# Altium PCB hep-0002.PcbDoc (part 1 of 3) (continued)
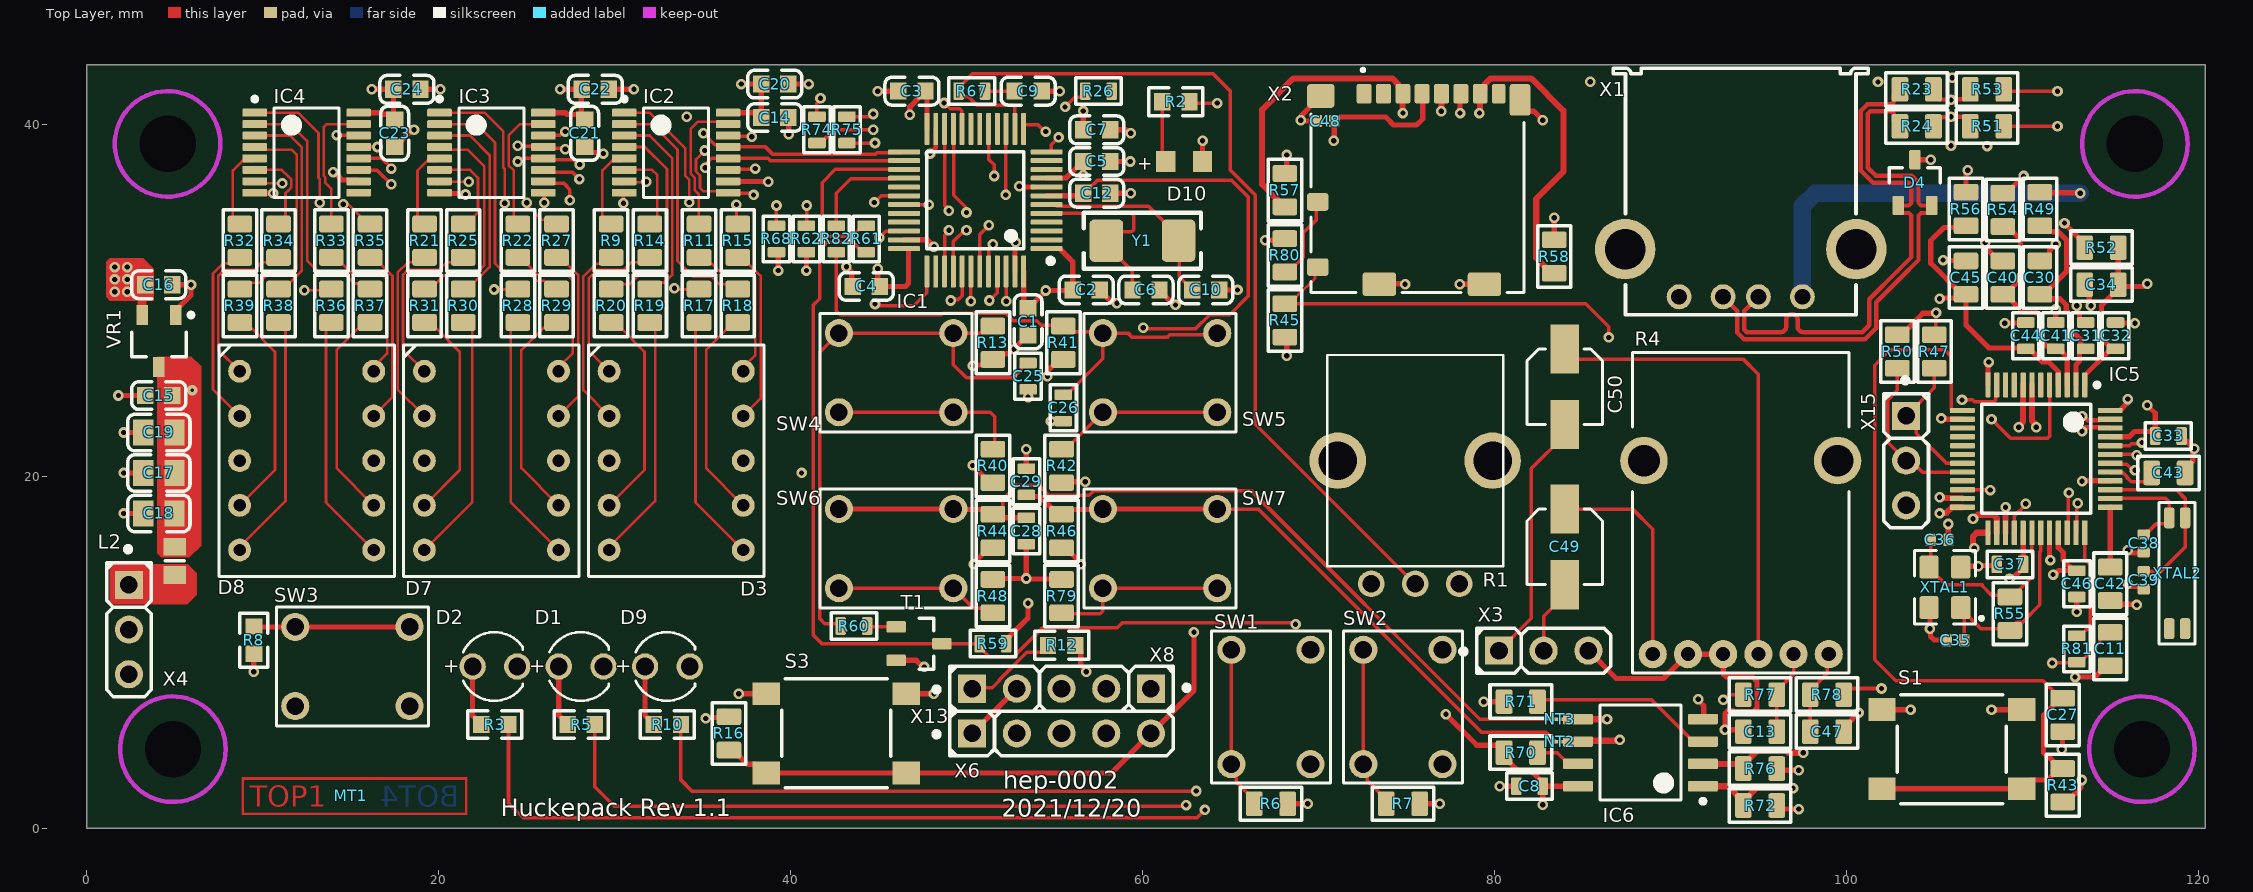
[diagram p0: Top Layer view]
## Classes and differential pairs
net class SD_CARD2: SPI1_CS SPI1_MISO SPI1_MOSI SPI1_SCK
net class SD_CARD: SD_CLK SD_CMD SD_DAT0
differential pair class USB_Line: USBD USBD_CON
net class USB: USBD_CON_N USBD_CON_P USBD_N USBD_P
component class Connectors: C15 C16 C17 C18 C19 D4 L2 MT1 R23 R24 VR1 X1 X4 X6 X8
component class MCU: C1 C2 C3 C4 C5 C6 C7 C9 C10 C12 C14 C20 C21 C22 C23 C24 D1 D2 D3 D7 D8 D9 D10 IC1 IC2 IC3 IC4 R1 R2 R3 R5 R6 R7 R8 R9 R10 R11 R12 R14 R15 R16 R17 R18 R19 R20 R21 R22 R25 R26 R27 R28 R29 R30 R31 R32 R33 R34 R35 R36 R37 R38 R39 R61 R62 R67 R68 R82 S3 SW1 SW2 SW3 X13 Y1
component class Audiocodec: C8 C11 C13 C25 C26 C27 C28 C29 C30 C31 C32 C33 C34 C35 C36 C37 C38 C39 C40 C41 C42 C43 C44 C45 C46 C47 C48 C49 C50 D13 IC5 IC6 NT1 NT2 NT3 R4 R13 R40 R41 R42 R43 R44 R45 R46 R47 R48 R49 R50 R51 R52 R53 R54 R55 R56 R57 R58 R59 R60 R70 R71 R72 R74 R75 R76 R77 R78 R79 R80 R81 S1 SW4 SW5 SW6 SW7 T1 X2 X3 X14 X15 XTAL1 XTAL2
differential pair USBD: +USBD_P -USBD_N
differential pair USBD_CON: +USBD_CON_P -USBD_CON_N

## Components (designator, comment, footprint, x,y, rotation, side; value= is the part's Value field where it differs from the comment)
C1 "100nF" 0603_C 53.5,28.8 r90 top
C2 "100nF" 0603_C 56.8,30.6 r180 top
C3 "100nF" 0603_C 46.9,41.9 r0 top
C4 "4.7uF" 0603_C 44.3,30.8 r0 top
C5 "1uF" 0603_C 57.4,37.9 r0 top
C6 "22pF" 0603_C 60.2,30.6 r0 top
C7 "10nF" 0603_C 57.4,39.7 r0 top
C8 "100nF" CAPC1608X95N 82,2.4 r0 top
C9 "1uF" 0603_C 53.5,41.9 r0 top
C10 "22pF" 0603_C 63.6,30.6 r0 top
C11 "1uF" CAPC2012X145N 115,10.2 r90 top
C12 "100nF" 0603_C 57.4,36.1 r180 top
C13 "1nF" CAPC2012X145N 95.1,5.5 r0 top
C14 "100nF" 0603_C 39.1,40.4 r180 top
C15 "1uF" 0603_C 4.1,24.6 r0 top
C16 "1uF" 0603_C 4.1,30.9 r180 top
C17 "10uF" 0805_C 4.1,20.2 r0 top
C18 "10uF" 0805_C 4.1,17.9 r0 top
C19 "10uF" 0805_C 4.1,22.5 r0 top
C20 "1uF" 0603_C 39.1,42.3 r180 top
C21 "100nF" 0603_C 28.3,39.5 r90 top
C22 "1uF" 0603_C 28.9,42 r180 top
C23 "100nF" 0603_C 17.5,39.5 r90 top
C24 "1uF" 0603_C 18.2,42 r180 top
C25 "100nF" CAPC1608X95N 53.5,25.7 r270 top
C26 "100nF" CAPC1608X95N 55.5,23.9 r270 top
C27 "1uF" CAPC2012X145N 112.3,6.45 r90 top
C28 "100nF" CAPC1608X95N 53.4,16.9 r270 top
C29 "100nF" CAPC1608X95N 53.4,19.7 r90 top
C30 "10uF" CAPC2012X145N 111,31.3 r270 top
C31 "100nF" CAPC1608X95N 113.6,28 r270 top
C32 "100nF" CAPC1608X95N 115.3,28 r270 top
C33 "100nF" CAPC1608X95N 118.3,22.3 r180 top
C34 "10uF" CAPC2012X145N 114.5,30.9 r0 top
C35 "8pF" CAPC1005X55 106.2,10.7 r0 top
C36 "8pF" CAPC1005X55 105.3,16.4 r180 top
C37 "100nF" CAPC1608X95N 109.3,15 r0 top
C38 "10pF" CAPC1005X55 116.9,16.2 r90 top
C39 "10pF" CAPC1005X55 116.9,14.1 r90 top
C40 "10uF" CAPC2012X145N 108.9,31.3 r270 top
C41 "100nF" CAPC1608X95N 111.9,28 r270 top
C42 "1uF" CAPC2012X145N 115,13.9 r90 top
C43 "10uF" CAPC2012X145N 118.3,20.2 r180 top
C44 "100nF" CAPC1608X95N 110.2,28 r270 top
C45 "10uF" CAPC2012X145N 106.8,31.3 r270 top
C46 "100nF" CAPC1608X95N 113.1,13.9 r90 top
C47 "1nF" CAPC2012X145N 98.9,5.5 r180 top
C48 "100n" CAPC1005X55 70.4,40.2 r180 top value=100nF
C49 "22u" CAPAE4643X54M 84,16 r270 top
C50 "22u" CAPAE4643X54M 84,25.1 r270 top
D1 "Super Red, 2.2V, 60deg" WL-TMRC_3MM_10MM_SPACE 28.1,9.2 r0 top
D2 "Super Red, 2.2V, 60deg" WL-TMRC_3MM_10MM_SPACE 23.2,9.2 r0 top
D3 "RED" LTS-4301WC 33.5,20.9 r0 top
D4 "PESD2USB3UX-TR" SOT95P280X135-3N_123 103.9,36.7 r90 top
D7 "RED" LTS-4301WC 23,20.9 r0 top
D8 "RED" LTS-4301WC 12.5,20.9 r0 top
D9 "Super Red, 2.2V, 60deg" WL-TMRC_3MM_10MM_SPACE 33,9.2 r0 top
D10 "RED" WL-SMCW_0805 62.365,37.9 r180 top
IC1 "STM32F103C8T6" LQFP-48_7X7X05P 50.5,35.7 r90 top
IC2 "SN74HCS595PWR" TSOP65P640X120-16N_2 33.5,38.4 r0 top
IC3 "SN74HCS595PWR" TSOP65P640X120-16N_2 23,38.4 r0 top
IC4 "SN74HCS595PWR" TSOP65P640X120-16N_2 12.5,38.4 r0 top
IC5 "VS1010D-L" TSQFP50P900X900X160-48N 110.8,21 r270 top
IC6 "SST25VF080B-50-4C-S2AF-T" SOIC127P790X216-8N 88.3,4.3 r180 top
L2 "100R @ 100Mhz 0.8A" 6-0805_L 5,15.2 r90 top
MT1 "Lagenkenner_big_4L" Lagenkenner_4L-big 15,1.841 r0 top
NT1 "NetTie_3mm" NET_TIE_3MM 116,18.65 r270 bottom net-tie
NT2 "NetTie_0.2mm" NET_TIE_0.2MM 83.725,4.935 r0 top net-tie
NT3 "NetTie_0.2mm" NET_TIE_0.2MM 83.725,6.205 r0 top net-tie
R1 "POT_50k_lin_9mm" PTV09 75.5,20.9 r0 top
R2 "130Ω ±1%" 0603_R 61.9,41.3 r0 top
R3 "130Ω ±1%" 0603_R 23.2,5.9 r0 top
R4 "10k" rk12l123 94,20.9 r0 top
R5 "130Ω ±1%" 0603_R 28.1,5.9 r0 top
R6 "100k" RESC2012X70N 67.3,1.4 r0 top
R7 "100k" RESC2012X70N 74.8,1.4 r0 top
R8 "100KΩ ±1%" 0603_R 9.5,10.7 r270 top
R9 "390R" RESC2012X70N 29.8,33.4 r270 top
R10 "130Ω ±1%" 0603_R 33,5.9 r0 top
R11 "390R" RESC2012X70N 34.8,33.4 r90 top
R12 "100KΩ ±1%" 0603_R 55.4,10.4 r180 top
R13 "100k" RESC2012X70N 51.5,27.6 r90 top
R14 "390R" RESC2012X70N 32,33.4 r270 top
R15 "390R" RESC2012X70N 37,33.4 r90 top
R16 "100k" RESC2012X70N 36.5,5.4 r90 top
R17 "390R" RESC2012X70N 34.8,29.7 r270 top
R18 "390R" RESC2012X70N 37,29.7 r90 top
R19 "390R" RESC2012X70N 32,29.7 r90 top
R20 "390R" RESC2012X70N 29.8,29.7 r90 top
R21 "390R" RESC2012X70N 19.2,33.4 r270 top
R22 "390R" RESC2012X70N 24.5,33.4 r90 top
R23 "0R" RESC2012X70N 104,42 r180 top
R24 "0R" RESC2012X70N 104,39.9 r180 top
R25 "390R" RESC2012X70N 21.4,33.4 r270 top
R26 "0R" RESC1608X55N 57.5,41.9 r0 top
R27 "390R" RESC2012X70N 26.7,33.4 r90 top
R28 "390R" RESC2012X70N 24.5,29.7 r270 top
R29 "390R" RESC2012X70N 26.7,29.7 r90 top
R30 "390R" RESC2012X70N 21.4,29.7 r90 top
R31 "390R" RESC2012X70N 19.2,29.7 r90 top
R32 "390R" RESC2012X70N 8.7,33.4 r270 top
R33 "390R" RESC2012X70N 13.9,33.4 r90 top
R34 "390R" RESC2012X70N 10.9,33.4 r270 top
R35 "390R" RESC2012X70N 16.1,33.4 r90 top
R36 "390R" RESC2012X70N 13.9,29.7 r270 top
R37 "390R" RESC2012X70N 16.1,29.7 r90 top
R38 "390R" RESC2012X70N 10.9,29.7 r90 top
R39 "390R" RESC2012X70N 8.7,29.7 r90 top
R40 "47k" RESC2012X70N 51.5,20.6 r270 top
R41 "100k" RESC2012X70N 55.5,27.6 r90 top
R42 "10k" RESC2012X70N 55.4,20.6 r270 top
R43 "100k" RESC2012X70N 112.3,2.45 r270 top
R44 "100k" RESC2012X70N 51.5,16.9 r90 top
R45 "100k" RESC2012X70N 68.092,28.868 r270 top
R46 "100k" RESC2012X70N 55.4,16.9 r90 top
R47 "100k" RESC2012X70N 105,27.1 r90 top
R48 "10k" RESC2012X70N 51.5,13.2 r90 top
R49 "0Ω ±1%" RESC2012X70N 111,35.2 r270 top
R50 "100k" RESC2012X70N 102.9,27.1 r90 top
R51 "470k" RESC2012X70N 108,39.9 r180 top
R52 "0Ω ±1%" RESC2012X70N 114.5,33 r0 top
R53 "470k" RESC2012X70N 108,42 r180 top
R54 "0Ω ±1%" RESC2012X70N 108.9,35.15 r270 top
R55 "470k" RESC2012X70N 109.3,12.2 r270 top
R56 "0Ω ±1%" RESC2012X70N 106.8,35.2 r270 top
R57 "10k" RESC2012X70N 68.092,36.268 r270 top
R58 "10k" RESC2012X70N 83.4,32.5 r270 top
R59 "100k" RESC1608X55N 51.5,10.5 r180 top
R60 "100k" RESC1608X55N 43.6,11.5 r180 top
R61 "0R" RESC1608X55N 44.3,33.5 r270 top
R62 "0R" RESC1608X55N 40.9,33.5 r270 top
R67 "0R" RESC1608X55N 50.3,41.9 r180 top
R68 "0R" RESC1608X55N 39.2,33.5 r270 top
R70 "100k" RESC2012X70N 81.5,4.3 r180 top
R71 "100k" RESC2012X70N 81.5,7.2 r180 top
R72 "100k" RESC2012X70N 95.1,1.3 r0 top
R74 "0R" RESC1608X55N 41.5,39.7 r90 top
R75 "0R" RESC1608X55N 43.2,39.7 r270 top
R76 "100k" RESC2012X70N 95.1,3.4 r0 top
R77 "390R" RESC2012X70N 95.1,7.6 r180 top
R78 "390R" RESC2012X70N 98.9,7.6 r0 top
R79 "10k" RESC2012X70N 55.4,13.2 r90 top
R80 "10k" RESC2012X70N 68.092,32.568 r270 top
R81 "0R" RESC1608X55N 113.1,10.2 r90 top
R82 "0R" RESC1608X55N 42.6,33.5 r270 top
S1 "WE_430182070816" 430182070816 106,4.5 r180 top
S3 "WE_430182070816" 430182070816 42.6,5.4 r180 top
SW1 "SW_SPST" TL1105D 67.3,6.9 r90 top
SW2 "SW_SPST" TL1105D 74.8,6.9 r90 top
SW3 "SW_SPST" TL1105D 15.1,9.2 r0 top
SW4 "SW_SPST" TL1105D 46,25.9 r0 top
SW5 "SW_SPST" TL1105D 61,25.9 r0 top
SW6 "SW_SPST" TL1105D 46,15.9 r0 top
SW7 "SW_SPST" TL1105D 61,15.9 r0 top
T1 "BC850" SOT95P280X135-3N_BEC 47.3,10.5 r0 top
VR1 "XC6206P332MR" SOT-23-3L 4.1,27.7 r90 top
X1 "USB A" CON_USBA_F_61400416021 94,36.2 r180 top locked
X2 "SD Micro" MOLEX_104031-0811 75.7,36.3 r180 top locked
X3 "HDR 1x3" CON_HEADER2.54_1x3W 82.8,10.1 r90 top
X4 "HDR 1x3" CON_HEADER2.54_1x3W 2.4,11.3 r0 top
X6 "HDR 1x5" CON_HEADER2.54_1x5W 55.4,5.4 r90 top
X8 "HDR 1x3" CON_HEADER2.54_1x3W 57.94,7.94 r270 top
X13 "HDR 1x2" CON_HEADER2.54_1x2W 52.86,7.94 r90 top
X15 "HDR 1x3" CON_HEADER2.54_1x3W 103.4,20.9 r0 top
XTAL1 "12.288MHZ" XTAL_ECS-122.8-10-33-AGL-TR 105.6,13.7 r90 top
XTAL2 "MC-146 32.7680KA-A3: PURE SN" Epson_MC-146 118.8,14.5 r270 top
Y1 "8MHz ±20ppm 20pF" SMD-5032_2P 60,33.4 r0 top

## Footprints (in the part's own frame and the unit in brackets; to place one, negate y for a bottom-side part, rotate by r counter-clockwise, add the part's x,y. Pads: shape width x height; smd on the part's side, far side on the other; paste and mask are expansions set on the pad)
6-0805_L [mm] "Chip Resistor, Body 2.0x1.2mm, IPC High Density"
  rect 1x1.3 smd: 1(-0.8,0) 2(0.8,0)
  silkscreen extent 0,-0.55 0,0.55, body extent -1.07,-0.7 1.07,0.7, height 0.7
0603_C [mm]
  rect 0.93x0.98 smd: 1(-0.77,0) 2(0.77,0)
  silkscreen extent -1.53,-0.79 1.54,0.79, body extent -0.8,-0.4 0.8,0.4, height 0.3
0603_R [mm]
  rect 0.93x0.98 smd: 1(-0.77,0) 2(0.77,0)
  silkscreen extent -1.53,-0.79 1.54,0.79, body extent -0.85,-0.4 0.85,0.4, height 0.56
0805_C [mm]
  rect 1.16x1.47 smd: 1(-0.89,0) 2(0.89,0)
  silkscreen extent -1.77,-1.04 1.77,1.04, body extent -1,-0.62 1,0.63, height 0.77
430182070816 [mm] "SMD Tact Switch, body 6x6mm"
  rect 1.55x1.3 smd: 1(-3.975,2.25) 2(-3.975,-2.25) 3(3.975,2.25) 4(3.975,-2.25)
  silkscreen extent -3.1,-3.1 3.1,3.1, body extent -4.5,-3.1 4.5,3.1, height 7
CAPAE4643X54M [mm] "Aluminum Electrolytic Capacitor, Body 4,30x4,30x5,40mm, IPC Low Density"
  rect 2.8x1.6 smd: 1(-2.15,0) 2(2.15,0)
  silkscreen extent -2.15,-2.15 2.15,2.15, body extent -2.3,-2.15 2.3,2.15, height 5.4
CAPC1005X55 [mm] "Chip Capacitor, 2-Leads, Body 1,0x0,5mm, imperial 0402"
  rrect25% 0.6x0.7 smd: 1(-0.5,0) 2(0.5,0)
  body extent -0.5,-0.3 0.5,0.3, height 0.55
CAPC1608X95N [mm] "Chip Capacitor, 2-Leads, Body 1,6x0,8mm, imperial 0603"
  rrect25% 0.6x1 smd: 1(-0.75,0) 2(0.75,0)
  silkscreen extent -1.3,-0.75 1.3,0.75, body extent -0.8,-0.4 0.8,0.4, height 0.3
CAPC2012X145N [mm] "Chip Capacitor, 2-Leads, Body 2,0x1,25mm, imperial 0805"
  rrect25% 0.95x1.4 smd: 1(-0.95,0) 2(0.95,0)
  silkscreen extent -1.75,-0.95 1.75,0.95, body extent -1,-0.62 1,0.63, height 0.78
CON_HEADER2.54_1x2W [mm]
  rect 1.6x1.6 hole 1: 1(0,2.54)
  round 1.6 hole 1: 2(0,0)
  silkscreen extent -1.27,-1.31 1.27,4.71, body extent -1.27,-1.27 1.27,3.81, height 9.51
CON_HEADER2.54_1x3W [mm]
  rect 1.6x1.6 hole 1: 1(0,2.54)
  round 1.6 hole 1: 2(0,0) 3(0,-2.54)
  silkscreen extent -1.27,-3.81 1.27,4.71, body extent -1.27,-3.81 1.27,3.94, height 8.39
CON_HEADER2.54_1x5W [mm]
  rect 1.6x1.6 hole 1: 1(0,5.08)
  round 1.6 hole 1: 2(0,2.54) 3(0,0) 4(0,-2.54) 5(0,-5.08)
  silkscreen extent -1.27,-6.35 1.27,7.25, body extent -1.27,-6.35 1.27,6.48, height 8.39
CON_USBA_F_61400416021 [mm] "USB Connector"
  round 1.42 hole 0.9: 1(-3.5,5.99) 2(-1,5.99) 3(1,5.99) 4(3.5,5.99)
  round 3.45 hole 2.3: S1(-6.57,3.28) S2(6.57,3.28)
  silkscreen extent -7.25,-7 7.25,7, body extent -8,-7 8,7, height 7.63
Epson_MC-146 [mm] "Crystals 32.768KHz"
  rrect50% 1.2x0.6 smd mask+0.075: 1(-3.15,-0.45) 2(3.15,-0.45) 3(3.15,0.45) 4(-3.15,0.45)
  silkscreen extent -4.03,-1.02 4.03,1.02, body extent -3.45,-0.7 3.45,0.7, height 1.3
Lagenkenner_4L-big [mm]
  Top Layer lines w0.15: -6.132,-1.002 -6.132,0.998 6.568,0.998 6.568,-1.002 -6.132,-1.002
  GND lines w0.15: -6.132,-1.002 -6.132,0.998 6.568,0.998 6.568,-1.002 -6.132,-1.002
  Multi-Layer pour cut-out: -6.232,1.098 -6.232,-1.102 6.668,-1.102 6.668,1.098
LQFP-48_7X7X05P [mm]
  rrect25% 0.28x1.8 smd mask+0.051: 1(-2.75,-4.05) 2(-2.25,-4.05) 3(-1.75,-4.05) 4(-1.25,-4.05) 5(-0.75,-4.05) 6(-0.25,-4.05) 7(0.25,-4.05) 8(0.75,-4.05) 9(1.25,-4.05) 10(1.75,-4.05) 11(2.25,-4.05) 12(2.75,-4.05) 25(2.75,4.05) 26(2.25,4.05) 27(1.75,4.05) 28(1.25,4.05) 29(0.75,4.05) 30(0.25,4.05) 31(-0.25,4.05) 32(-0.75,4.05) 33(-1.25,4.05) 34(-1.75,4.05) 35(-2.25,4.05) 36(-2.75,4.05)
  rrect25% 1.8x0.28 smd mask+0.051: 13(4.05,-2.75) 14(4.05,-2.25) 15(4.05,-1.75) 16(4.05,-1.25) 17(4.05,-0.75) 18(4.05,-0.25) 19(4.05,0.25) 20(4.05,0.75) 21(4.05,1.25) 22(4.05,1.75) 23(4.05,2.25) 24(4.05,2.75) 37(-4.05,2.75) 38(-4.05,2.25) 39(-4.05,1.75) 40(-4.05,1.25) 41(-4.05,0.75) 42(-4.05,0.25) 43(-4.05,-0.25) 44(-4.05,-0.75) 45(-4.05,-1.25) 46(-4.05,-1.75) 47(-4.05,-2.25) 48(-4.05,-2.75)
  silkscreen extent -3.6,-4.43 2.75,2.75, body extent -4.5,-4.5 4.5,4.5, height 1.6
LTS-4301WC [mm]
  round 1.3 hole 0.7: 1(-3.81,5.08) 2(-3.81,2.54) 3(-3.81,0) 4(-3.81,-2.54) 5(-3.81,-5.08) 6(3.81,-5.08) 7(3.81,-2.54) 8(3.81,0) 9(3.81,2.54) 10(3.81,5.08)
  silkscreen extent -4.98,-6.59 4.99,6.59, body extent -4.85,-6.45 4.85,6.45, height 4
MOLEX_104031-0811 [mm]
  rrect25% 0.85x1.1 smd mask+0.05: 1(3.105,-5.45) 2(2.005,-5.45) 3(0.905,-5.45) 4(-0.195,-5.45) 5(-1.295,-5.45) 6(-2.395,-5.45) 7(-3.495,-5.45)
  rrect25% 0.75x1.1 smd mask+0.05: 8(-4.545,-5.45)
  rrect25% 1.2x1 smd mask+0.05: 9(5.74,0.7) 10(5.74,4.4)
  rrect25% 1.55x1.35 smd mask+0.05: G1(5.565,-5.325)
  rrect25% 1.17x1.8 smd mask+0.05: G2(-5.755,-5.1)
  rrect25% 1.9x1.35 smd mask+0.05: G3(-3.73,5.375) G4(2.24,5.375)
  silkscreen extent -5.97,-6.9 6.11,5.83, body extent -6.17,-5.35 5.78,6.05, height 1.44
NET_TIE_0.2MM [mm] "NET_TIE_0.2MM"
  rect 0.4x0.2 smd paste-10 mask-10: 1(-0.175,0) 2(0.175,0)
NET_TIE_3MM [mm] "NET_TIE_3MM"
  rect 0.6x3 smd paste-10 mask-10: 1(-0.25,0) 2(0.25,0)
PTV09 [mm]
  round 1.508 hole 1: 1(-2.5,-7) 2(0,-7) 3(2.5,-7)
  round 3.216 hole 2.2: NC1(-4.4,0) NC2(4.4,0)
  silkscreen extent -5,-6 5,6, body extent -5.89,-6.8 5.5,5.8, height 25.5
RESC1608X55N [mm] "Chip Resistor, 2-Leads, Body 1,6x0,85mm, imperial 0603"
  rrect25% 0.6x1 smd: 1(-0.75,0) 2(0.75,0)
  silkscreen extent -1.3,-0.75 1.3,0.75, body extent -0.8,-0.4 0.8,0.4, height 0.55
RESC2012X70N [mm] "Chip Resistor, 2-Leads, Body 2,0x1,25mm, imperial 0805"
  rrect25% 0.95x1.4 smd: 1(-0.95,0) 2(0.95,0)
  silkscreen extent -1.75,-0.95 1.75,0.95, body extent -1,-0.6 1,0.6, height 0.7
rk12l123 [mm] "12mm Size Insulated Shaft Snap-in Type"
  round 1.6 hole 0.8: 1(-1,-11) 2(1,-11) 3(3,-11) 4(-3,-11) 5(-5,-11) 6(5,-11)
  round 2.7 hole 1.8: MT(-5.5,0) MT(5.5,0)
  silkscreen extent -6.14,-12.07 6.14,6.13, body extent -6.8,-11.3 6.8,6, height 25
SMD-5032_2P [mm]
  rrect25% 1.9x2.4 smd: 1(-2.05,0) 2(2.05,0)
  silkscreen extent -3.32,-1.6 3.32,1.6, body extent -2.5,-0.95 2.5,0.95, height 0.9
SOIC127P790X216-8N [mm] "SOIC, 8-Leads, Body 5,28x5,28mm, Pitch 1,27mm, IPC Medium Density"
  rrect25% 1.7x0.6 smd: 1(-3.55,1.905) 2(-3.55,0.635) 3(-3.55,-0.635) 4(-3.55,-1.905) 5(3.55,-1.905) 6(3.55,-0.635) 7(3.55,0.635) 8(3.55,1.905)
  silkscreen extent -3.68,-2.7 2.3,2.88, body extent -3.95,-2.7 3.95,2.7, height 2.16
SOT95P280X135-3N_123 [mm] "SOT23, 3-Leads, Body 3,0x3,0mm (max), Pitch 0,95mm, IPC Medium Density"
  rrect25% 1.1x0.65 smd: 1(-1.3,0.95) 2(-1.3,-0.95) 3(1.3,0)
  silkscreen extent 0,-1.45 0.85,1.45, body extent -1.3,-1.5 1.34,1.5, height 1.08
SOT95P280X135-3N_BEC [mm] "SOT23, 3-Leads, Body 3,0x3,0mm (max), Pitch 0,95mm, IPC Medium Density"
  rrect25% 1.1x0.65 smd: B(-1.3,0.95) C(1.3,0) E(-1.3,-0.95)
  silkscreen extent 0,-1.45 0.85,1.45, body extent -1.3,-1.5 1.34,1.5, height 1.08
SOT-23-3L [mm] "http://www.aosmd.com/res/packaging_information/SOT-23-3L.pdf"
  rect 1.15x0.65 smd: 1(1.475,-0.95) 2(1.475,0.95) 3(-1.475,0)
  silkscreen extent -0.9,-1.95 1.6,1.55, body extent -0.9,-1.55 0.9,1.55, height 1.25
TL1105D [mm] "Tastschalter SPST-Schließer Von oben betätigt Durchkontaktierung"
  round 1.6 hole 1: 1(-3.25,2.25) 2(-3.25,-2.25) 3(3.25,2.25) 4(3.25,-2.25)
  silkscreen extent -4.33,-3.37 4.33,3.37, body extent -3.95,-3 3.95,3, height 13.01
TSOP65P640X120-16N_2 [mm] "TSOP, 16-Leads, Body 5,00x4,40mm, Pitch 0,65mm, IPC Medium Density"
  rrect25% 1.4x0.45 smd mask+0.05: 1(-2.95,2.275) 2(-2.95,1.625) 3(-2.95,0.975) 4(-2.95,0.325) 5(-2.95,-0.325) 6(-2.95,-0.975) 7(-2.95,-1.625) 8(-2.95,-2.275) 9(2.95,-2.275) 10(2.95,-1.625) 11(2.95,-0.975) 12(2.95,-0.325) 13(2.95,0.325) 14(2.95,0.975) 15(2.95,1.625) 16(2.95,2.275)
  silkscreen extent -3.07,-2.55 1.85,3.17, body extent -3.2,-2.55 3.2,2.55, height 1.2
TSQFP50P900X900X160-48N [mm] "TSQFP, 48-Leads, Body 7,00x7,00mm, Pitch 0,50mm, IPC Medium Density"
  rrect25% 1.4x0.3 smd mask+0.05: 1(-4.2,2.75) 2(-4.2,2.25) 3(-4.2,1.75) 4(-4.2,1.25) 5(-4.2,0.75) 6(-4.2,0.25) 7(-4.2,-0.25) 8(-4.2,-0.75) 9(-4.2,-1.25) 10(-4.2,-1.75) 11(-4.2,-2.25) 12(-4.2,-2.75) 25(4.2,-2.75) 26(4.2,-2.25) 27(4.2,-1.75) 28(4.2,-1.25) 29(4.2,-0.75) 30(4.2,-0.25) 31(4.2,0.25) 32(4.2,0.75) 33(4.2,1.25) 34(4.2,1.75) 35(4.2,2.25) 36(4.2,2.75)
  rrect25% 0.3x1.4 smd mask+0.05: 13(-2.75,-4.2) 14(-2.25,-4.2) 15(-1.75,-4.2) 16(-1.25,-4.2) 17(-0.75,-4.2) 18(-0.25,-4.2) 19(0.25,-4.2) 20(0.75,-4.2) 21(1.25,-4.2) 22(1.75,-4.2) 23(2.25,-4.2) 24(2.75,-4.2) 37(2.75,4.2) 38(2.25,4.2) 39(1.75,4.2) 40(1.25,4.2) 41(0.75,4.2) 42(0.25,4.2) 43(-0.25,4.2) 44(-0.75,4.2) 45(-1.25,4.2) 46(-1.75,4.2) 47(-2.25,4.2) 48(-2.75,4.2)
  silkscreen extent -4.32,-3.1 3.1,3.57, body extent -4.5,-4.5 4.5,4.5, height 1.6
WL-SMCW_0805 [mm] "SMD Mono-color Chip LED, body 2.0x1.25mm"
  rect 1.1x1.2 smd: A(1.05,0) K(-1.05,0)
  body extent -1,-0.63 1,0.62, height 0.7
WL-TMRC_3MM_10MM_SPACE [mm] "THT Mono-color Round Color LED, 2-leads"
  round 1.5 hole 1: 1(1.27,0) 2(-1.27,0)
  silkscreen extent -1.8,-1.95 1.57,1.95, body extent -2.13,-2.25 2.13,2.25, height 15.3
XTAL_ECS-122.8-10-33-AGL-TR [mm] "XTAL_ECS-122.8-10-33-AGL-TR"
  rrect25% 1.3x1.1 smd: 1(-1.15,-0.9) 2(1.15,-0.9) 3(1.15,0.9) 4(-1.15,0.9)
  silkscreen extent -2.08,-2.17 2.08,1.74, body extent -1.6,-1.25 1.6,1.25, height 0.8

## Part data
C1 C2 C3 C12 C14 C21 C23: library part "0603 100nF (104) 10% 50V", "Chip capacitors", Manufacturer=YAGEO, Package=0603, PartNumber=CC0603KRX7R9BB104, SuppliersPartNumber=C14663, Tolerance=10%, Voltage=50V, Capacitance=100nF, ComponentLink1Description="Supplier link", ComponentLink1URL=http://www.szlcsc.com/product/details_15331.html, Supplier=LC
C4: library part "0603 4.7uF (475) 10% 16V", "Chip capacitors", Manufacturer="Samsung Electro-Mechanics", Package=0603, PartNumber=CL10A475KO8NNNC, SuppliersPartNumber=C19666, Tolerance=10%, Voltage=16V, Capacitance=4.7uF, ComponentLink1Description="Supplier link", ComponentLink1URL=http://www.szlcsc.com/product/details_20375.html, Supplier=LC
C5 C9 C15 C16 C20 C22 C24: library part "0603 1uF (105) 10% 50V", "Chip capacitors", Manufacturer="Samsung Electro-Mechanics", Package=0603, PartNumber=CL10A105KB8NNNC, SuppliersPartNumber=C15849, Tolerance=10%, Voltage=50V, Capacitance=1uF, ComponentLink1Description="Supplier link", ComponentLink1URL=http://www.szlcsc.com/product/details_16531.html, Supplier=LC
C6 C10: library part "0603 22pF (220) 5% 50V", "Chip capacitors", Manufacturer="Samsung Electro-Mechanics", Package=0603, PartNumber=CL10C220JB8NNNC, SuppliersPartNumber=C1653, Tolerance=5%, Voltage=50V, Capacitance=22pF, ComponentLink1Description="Supplier link", ComponentLink1URL=http://www.szlcsc.com/product/details_2005.html, Supplier=LC
C7: library part "0603 10nF (103) 10% 50V", "Chip capacitors", Manufacturer="Guangdong Fenghua Advanced Tech", Package=0603, PartNumber=0603B103K500NT, SuppliersPartNumber=C57112, Tolerance=10%, Voltage=50V, Capacitance=10nF, ComponentLink1Description="Supplier link", ComponentLink1URL=http://www.szlcsc.com/product/details_58143.html, Supplier=LC
C8 C25 C26 C28 C29 C31 C32 C33 C37 C41 C44 C46: library part CAP_100nF_0603, "Multilayer Ceramic Capacitors MLCC - SMD/SMT, 100nF", JLC=C14663, Manufacturer=YAGEO, Manufacturer Part Number=CC0603KRX7R9BB104, Tolerance=10%, Voltage Rating=50VDC, Alternatives allowed=yes
C11 C27 C42: library part CAP_1uF_0805, "Multilayer Ceramic Capacitors MLCC - SMD/SMT, 1uF", JLC=C28323, Manufacturer="Samsung Electro-Mechanics", Manufacturer Part Number=CL21B105KBFNNNE, Tolerance=10%, Voltage Rating=50V, Alternatives allowed=yes
C13 C47: library part CAP_1nF_630V, "Multilayer Ceramic Capacitors MLCC - SMD/SMT - SMD/SMT, C0G(NP0), 1nF", Manufacturer="Murata Electronics", Manufacturer Part Number=GRM21B5C2J102JWA3L, Tolerance=5%, Voltage Rating=630VDC, Alternatives allowed=yes
C17 C18 C19: library part "0805 10uF (106) 10% 25V", "Chip capacitors", Manufacturer="Samsung Electro-Mechanics", Package=0805, PartNumber=CL21A106KAYNNNE, SuppliersPartNumber=C15850, Tolerance=10%, Voltage=25V, Capacitance=10uF, ComponentLink1Description="Supplier link", ComponentLink1URL=http://www.szlcsc.com/product/details_16532.html, Supplier=LC
C30 C34 C40 C43 C45: library part CAP_10uF_0805, "Multilayer Ceramic Capacitors MLCC - SMD/SMT, 10uF", JLC=C15850, Manufacturer="Samsung Electro-Mechanics", Manufacturer Part Number=CL21A106KAYNNNE, Tolerance=10%, Voltage Rating=25V, Alternatives allowed=yes
C35 C36: library part CAP_8p_25V_0402, "Multilayer Ceramic Capacitors MLCC - SMD/SMT 01005 25VDC 8pF Tol 0.1pF C0G", Manufacturer="Taiyo Yuden", Manufacturer Part Number=TMK042CG080BD-W, Voltage Rating=25V, Alternatives allowed=YES, Notes="C0G, 0402"
C38 C39: library part CAP_10p_25V_0402, "Multilayer Ceramic Capacitors MLCC - SMD/SMT 01005 25VDC 10pF Tol 0.5pF C0G", Manufacturer="Taiyo Yuden", Manufacturer Part Number=TMK042CG100DD-W, Voltage Rating=25V, Alternatives allowed=YES, Notes="C0G, 0402"
C48: library part 100n_50V_0402, "MLCC - SMD/SMT 100nF 50Volts 10%", Manufacturer=Yageo, Manufacturer Part Number=CC0402KRX5R9BB104, Tolerance=+-10%, Voltage Rating=50V, Alternatives allowed=YES, Notes="X5R, 0402"
C49 C50: library part CAP_22u, "Aluminium Electrolytic Capacitors - SMD 22UF 16V HA SMD", Manufacturer=Panasonic, Manufacturer Part Number=EEE-HAC220WAR, Tolerance=20%, Voltage Rating=16V, Alternatives allowed=NO
D1 D2 D9: library part 151031SS06000_Spacer_10mm, "WL-TMRC THT Mono-color Round Color, size 3mm, Super Red, 2.2V, 60deg", Emitting Color="Super Red", Forward Voltage=2.2V, Operating Temperature="-40 to +85degC", Part Number=151031SS06000, Chip Technology=AlGaAs, ComponentLink1Description=Manufacturer, ComponentLink1URL=http://www.we-online.de, ComponentLink2Description=Datasheet, ComponentLink2URL=https://katalog.we-online.de/led/datasheet/151031SS06000.pdf, Dominant Wavelength=640nm, Luminous Intensity=35mcd, Mounting Technology=THT, Packaging=Bulk, Peak Wavelength=650nm, Published Date="October 2019", Publisher="Wurth Elektronik", Size=3mm, Viewing Angle=60deg
D3 D7 D8: library part 7-SEGMENT-10mm, "LED Displays & Accessories 1-Digit SMD Display Red Low-Cur .40", JLC=C84256, Manufacturer=Lite-On, Manufacturer Part Number=LTS-4301WC, Alternatives allowed=YES
D4: "ESD Suppressors / TVS Diodes DIODE ESD PROT", Manufacturer=Nexperia, Voltage Rating=3.3V, Alternatives allowed=YES, Manufacturer Part Number=PESD2USB3UX-TR
D10: library part LED_0805_RED_AK, "Standard LEDs - SMD WL-SMCW SMDMono TpVw Waterclr 0805 Red", JLC=C84256, Manufacturer="Wurth Elektronik", Manufacturer Part Number=150080RS75000, Voltage Rating=2.0, Alternatives allowed=YES
IC1: "ARM", JLC=C8734, Manufacturer=STMicroelectronics, ComponentLink1Description=供应商链接, ComponentLink1URL=http://www.szlcsc.com/product/details_9243.html, Manufacturer Part Number=STM32F103C8T6
IC2 IC3 IC4: library part IC_SN74HCS595, "Counter Shift Registers 8-bit serial-in/parallel-out shift register 16-TSSOP -40 to 125", Manufacturer="Texas Instruments", Alternatives allowed=NO, Manufacturer Part Number=SN74HCS595PWR
IC5: library part IC_VS1010D-L, "DSP audio microcontroller, QFP-48", Manufacturer=VLSI, Manufacturer Part Number=VS1010D-Q, Alternatives allowed=NO
IC6: library part IC_SST25VF080B-50-4C-S2AF-T, "NOR Flash 8M (1Mx8) 50MHz 2.7-3.6V Commercial", Manufacturer="Microchip Technology", Alternatives allowed=NO, Manufacturer Part Number=SST25VF080B-50-4C-S2AF-T
L2: library part "0805 100R@100Mhz 0.8A", "Ferrite Bead", Package=0805, SuppliersPartNumber=C1015, Supplier=Sunlord
NT1: "3mm NetTie", Notes="PCB connection only"
NT2 NT3: "0.2mmmm NetTie", Notes="PCB connection only"
R1: "Potentiometers PANEL CONTROL - 9MM-ST-CA 50 kohms 30 mm", Manufacturer=Bourns, Manufacturer Part Number=PTV09A-4030S-A503, Tolerance=20%
R2 R3 R5 R10: library part "0603 130R (1300) 1%", "Chip resistor", Manufacturer="Uniroyal Elec", Package=0603, PartNumber=0603WAF1300T5E, Power=1/10W, Resistance=130Ω, SuppliersPartNumber=C22796, Tolerance=1%, ComponentLink1Description="Supplier link", ComponentLink1URL=http://www.szlcsc.com/product/details_23523.html, Supplier=LC
R4: library part POT_10k_lin_dual_12mm_flat, "Potentiometers 12MM V/ADJ ; 10KoHM", Manufacturer="Alps Alpine", Manufacturer Part Number=RK12L123000G, Tolerance=20%
R6 R7 R13 R16 R41 R43 R44 R45 R46 R47 R50 R70 R71 R72 R76: library part RES_100k_0805, "Thick Film Resistors - SMD 1/8watt 100Kohms 1% 100ppm", JLC=C17407, Manufacturer="Vishay / Dale", Manufacturer Part Number=CRCW0805100KFKEA, Tolerance=1%, Voltage Rating=150V, Alternatives allowed=YES
R8 R12: library part "0603 100K (1003) 1%", "Chip resistor", Manufacturer="Uniroyal Elec", Package=0603, PartNumber=0603WAF1003T5E, Power=1/10W, Resistance=100KΩ, SuppliersPartNumber=C25803, Tolerance=1%, ComponentLink1Description="Supplier link", ComponentLink1URL=http://www.szlcsc.com/product/details_26546.html, Supplier=LC
R9 R11 R14 R15 R17 R18 R19 R20 R21 R22 R25 R27 R28 R29 R30 R31 R32 R33 R34 R35 R36 R37 R38 R39 R77 R78: library part RES_390R_0805, "Thick Film Resistors - SMD 1/8Watt 390ohms 1% Commercial Use", JLC=C17655, Manufacturer="Vishay / Dale", Manufacturer Part Number=CRCW0805390RFKEA, Tolerance=1%, Voltage Rating=150V, Alternatives allowed=YES
R23 R24: library part RES_0R_0805, "Thick Film Resistors - SMD 1/8watt ZEROohm Jumper", JLC=C17477, Manufacturer=Vishay, Manufacturer Part Number=CRCW08050000Z0EA, Tolerance=1%, Voltage Rating=150V, Alternatives allowed=YES
R26 R61 R62 R67 R68 R74 R75 R81 R82: library part RES_0R_0603, "Thick Film Resistors - SMD 1/10watt ZEROohm Jumper", Manufacturer=Vishay, Manufacturer Part Number=CRCW06030000Z0EA, Tolerance=1%, Voltage Rating=75V, Alternatives allowed=YES
R40: library part RES_47k_0805, "Thick Film Resistors - SMD 1/8watt 47Kohms 1%", JLC=C17713, Manufacturer="Vishay / Dale", Manufacturer Part Number=CRCW080547K0FKEB, Tolerance=1%, Voltage Rating=150V, Alternatives allowed=YES
R42 R48 R57 R58 R79 R80: library part RES_10k_0805, "Thick Film Resistors - SMD 1/8watt 10Kohms 1% 100ppm", JLC=C17414, Manufacturer="Vishay / Dale", Manufacturer Part Number=CRCW080510K0FKEA, Tolerance=1%, Voltage Rating=150V, Alternatives allowed=YES
R49 R52 R54 R56: library part "0805 0R (0R0) 1%", "Chip resistor", JLC=C17477, Manufacturer="Vishay / Dale", Manufacturer Part Number=CRCW08050000Z0EAC, Tolerance=1%, Alternatives allowed=YES
R51 R53 R55: library part RES_470k_0805, "Thick Film Resistors - SMD 1/8Watt 470Kohms 1% Commercial Use", JLC=C17709, Manufacturer="Vishay / Dale", Manufacturer Part Number=CRCW0805470KFKEAC, Tolerance=1%, Voltage Rating=150V, Alternatives allowed=YES
R59 R60: library part RES_100k_0603, "Thick Film Resistors - SMD 1/10Watt 100Kohms 1% Commercial Use", Manufacturer=Vishay, Manufacturer Part Number=CRCW0603100KFKEAC, Tolerance=1%, Voltage Rating=75V, Alternatives allowed=YES
S1 S3: "WS-TASV SMT Tact Switch 6x6mm, height 7mm, 160gf", Operating Temperature="-40 to +85degC", Part Number=430182070816, Rated Current=50mA, Rated Voltage=12VDC, ComponentLink1Description=Manufacturer, ComponentLink1URL=http://www.we-online.de, ComponentLink2Description=Datasheet, ComponentLink2URL=https://katalog.we-online.com/em/datasheet/430182070816.pdf, Contact Material="Stainless Steel", Contact Plating=Silver, Height=7mm, Mounting Technology=SMT, Operation Force=160gf, Packaging="Tape and Reel", Published Date="September 2019", Publisher="Wurth Elektronik", Terminal Material="Copper Alloy", Terminal Plating=Silver, Washable=No
SW1 SW2 SW3 SW4 SW5 SW6 SW7: library part "SW_ TL1105DF160Q", "Tastschalter SPST-Schließer Von oben betätigt Durchkontaktierung", Manufacturer=E-Switch, Manufacturer Part Number=TL1105DF160Q, Alternatives allowed=NO
T1: library part T_BC850CLT1G, "Bipolarer Einzeltransistor (BJT), NPN, 30 V, 100 MHz, 225 mW, 100 mA, 110 hFE", Manufacturer="ON SEMICONDUCTOR", Manufacturer Part Number=BC850CLT1G, Voltage Rating=45V, Alternatives allowed=NO
VR1: library part "SOT-23 XC6206P332MR", "低压差线性稳压(LDO)", Package=SOT-23, SuppliersPartNumber=C5446, ComponentLink1Description=供应商链接, ComponentLink1URL=http://www.szlcsc.com/product/details_5896.html, Supplier=LC
X1: library part CON_USB_A_FEMALE, "USB 2.0 Type A Horizontal", Lumira Part Number=S-QMS-SPEC-32510, Manufacturer="WURTH ELEKTRONIK", Manufacturer Part Number=61400416021, Alternatives allowed=NO
X2: library part Molex_104031-0811, "Memory Card Connectors MICRO SD PUSH-PULL SMT 1.42MM HEIGHT", Manufacturer=Molex, Manufacturer Part Number=104031-0811, Alternatives allowed=NO
X3 X15: library part CON_HEADER_1X3, "Board-to-Board-Steckverbinder, 2.54 mm, 3 Kontakt(e), Stiftleiste 1-Reihig", Manufacturer=Samtec, Manufacturer Part Number=TSW-103-07-T-S, Alternatives allowed=YES
X4 X8: library part CON_HEADER_1X3, "Board-to-Board-Steckverbinder, 2.54 mm, 3 Kontakt(e), Stiftleiste 1-Reihig", Lumira Part Number=S-QMS-SPEC-32502, Manufacturer=Samtec, Manufacturer Part Number=TSW-103-07-T-S, Alternatives allowed=YES
X6: library part CON_HEADER_1X5, "Board-to-Board-Steckverbinder, 2.54 mm, 5 Kontakt(e), Stiftleiste 1-Reihig", Manufacturer=Samtec, Manufacturer Part Number=TSW-105-07-T-S, Alternatives allowed=YES
X13: library part CON_HEADER_1X2, "Board-to-Board-Steckverbinder, 2.54 mm, 2 Kontakt(e), Stiftleiste 1-Reihig", Lumira Part Number=S-QMS-SPEC-32507, Manufacturer=Samtec, Manufacturer Part Number=TSW-102-07-T-S, Alternatives allowed=YES
XTAL1: library part XTAL_ECS-122.8-10-33-AGL-TR, "Crystals 12.288MHz 25ppm 10pF -10C +70C", Manufacturer=ECS, Manufacturer Part Number=ECS-122.8-10-33-AGL-TR, Alternatives allowed=NO